# Altium PCB Tag201_GangProgrammerRev1.PcbDoc (part 4 of 7)
Units mil, origin at the board's own origin, x right, y up, seen from the top; angles counter-clockwise.
Board outline 10400 x 10885 mil, 4 copper layers (Top Layer, VCC, GND, Bottom Layer), stack 67.2 mil thick; 874 components, 385 nets, 2980 pads, 650 vias.
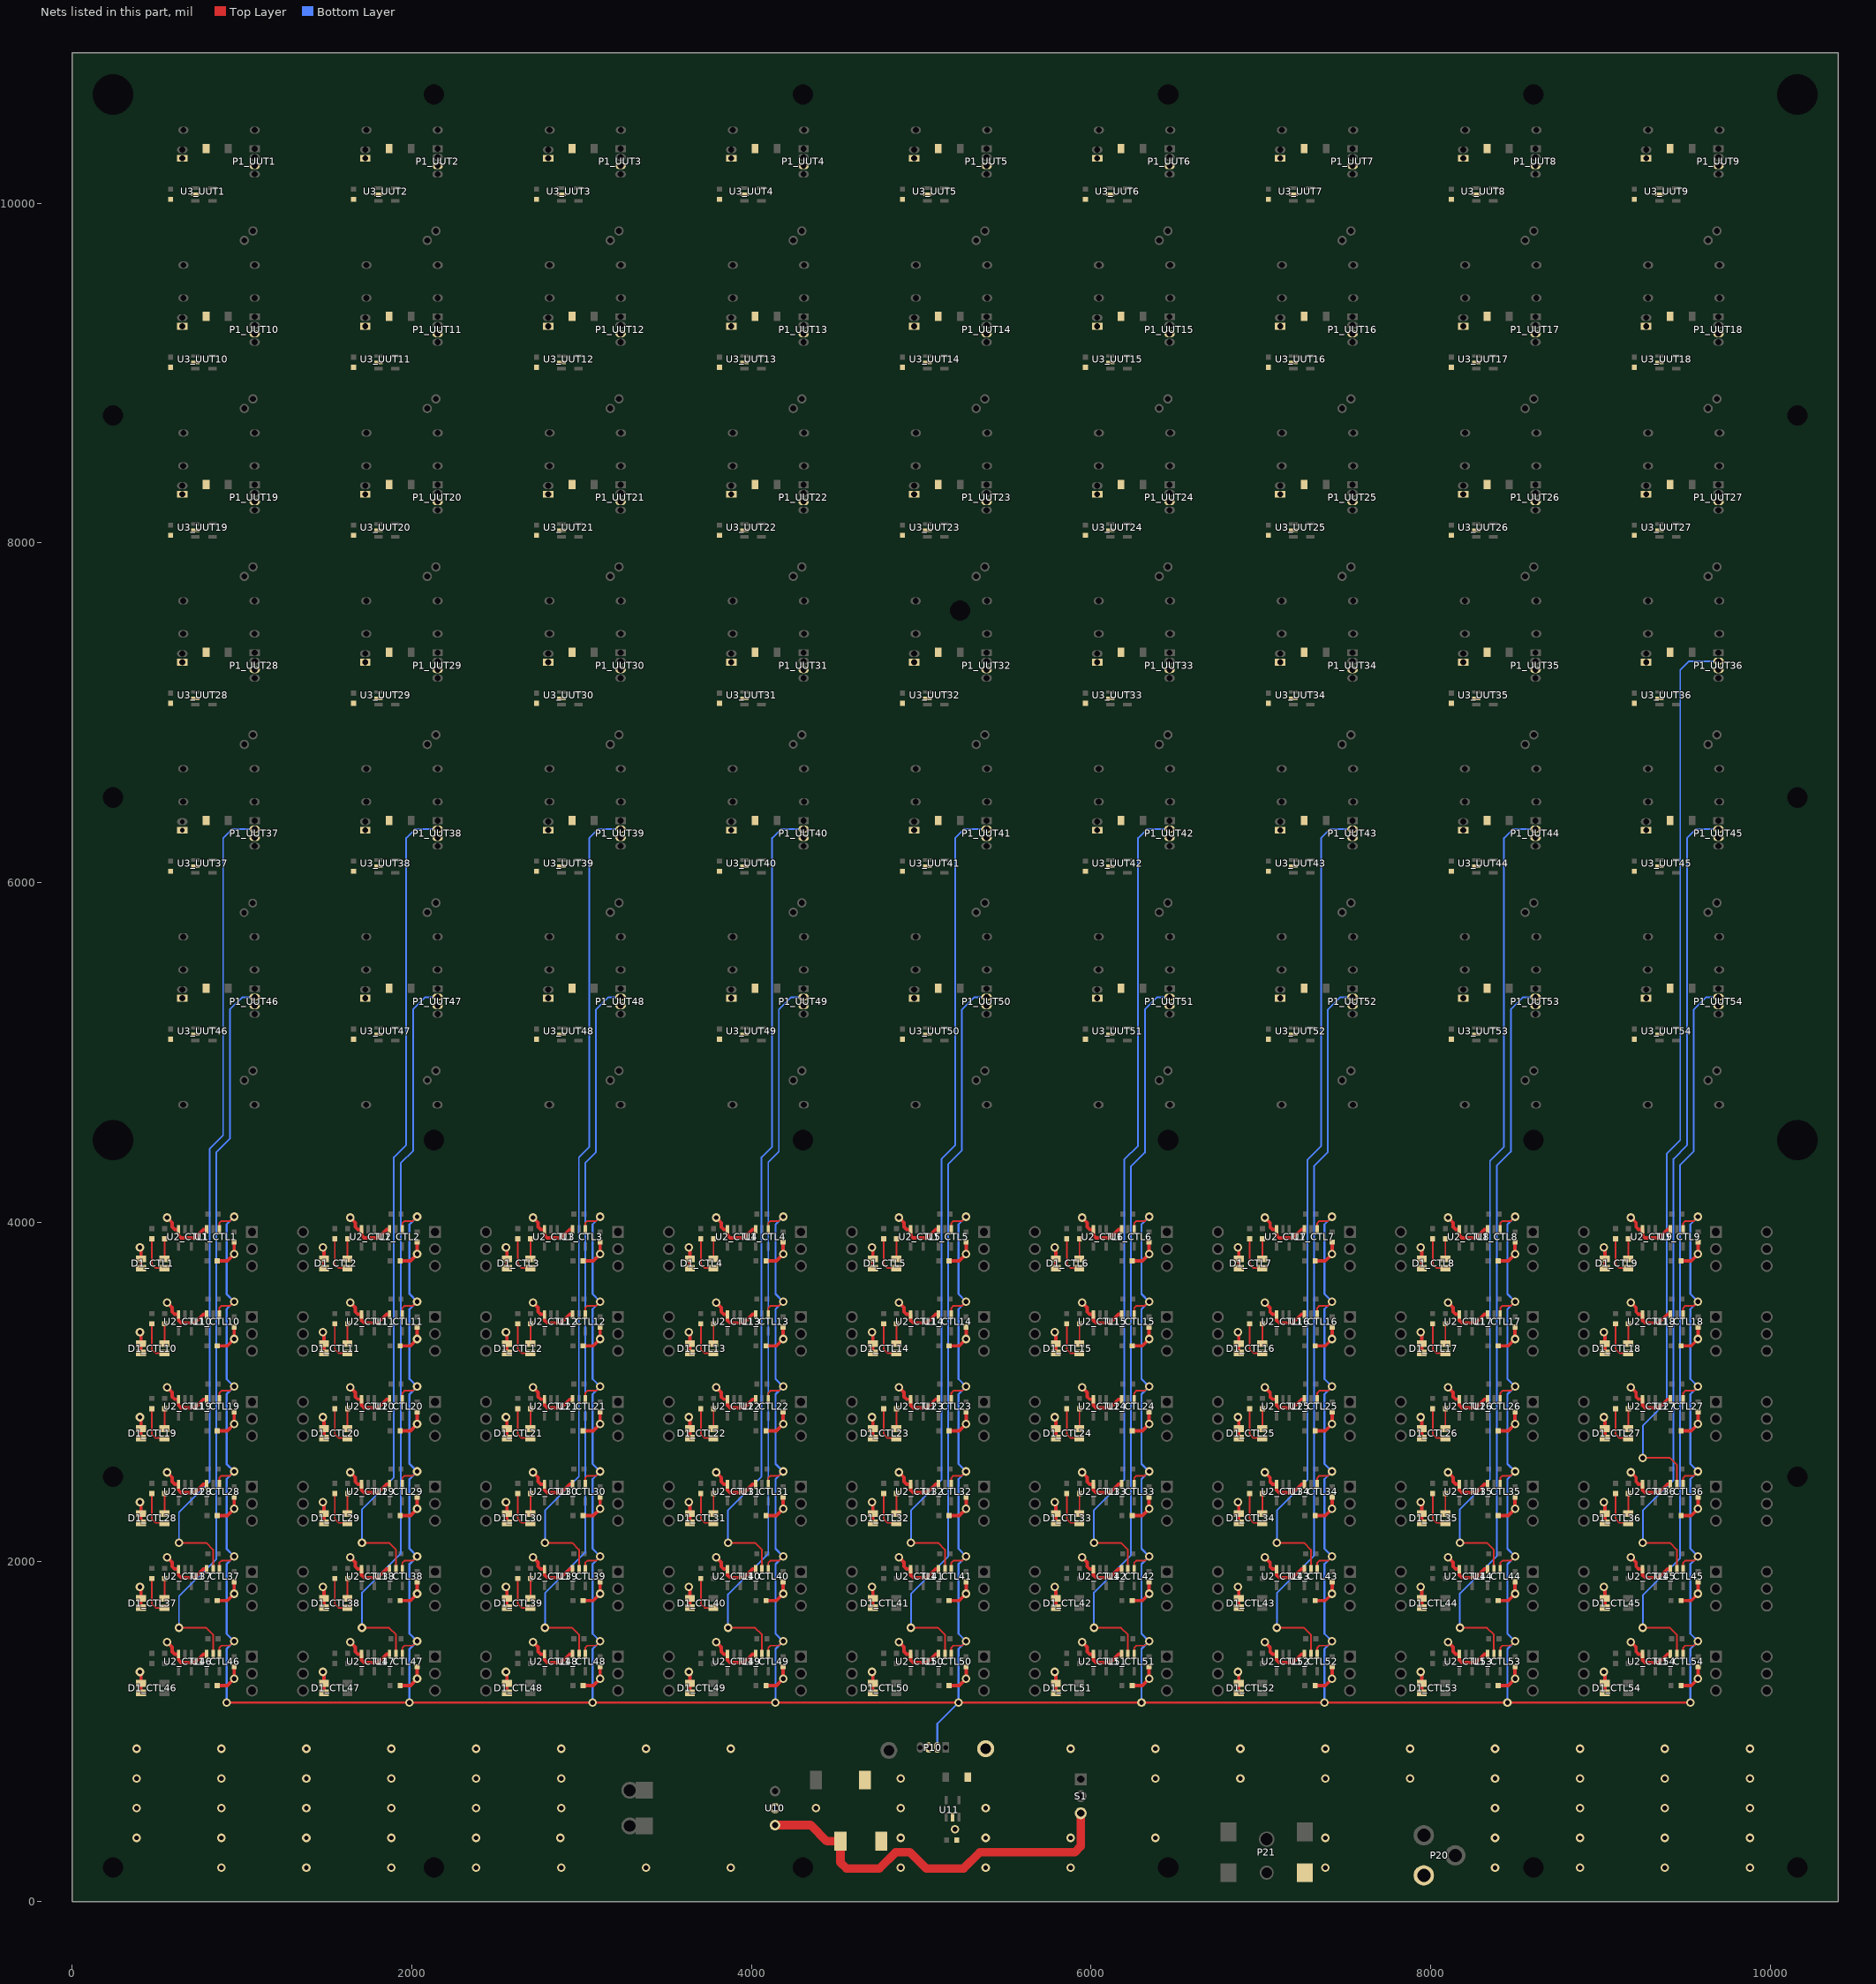
[diagram p6: the nets of this part, all layers, seen from the top]

## Via types
v1: diameter 50, hole 28, Top Layer to Bottom Layer, tented both sides, 650 vias

## Nets (pads, with @x,y where several pads share a name; then routed paths per layer and width w, separated by ;. In a path a pad name is that pad's centre, name@x,y a point inside that pad or via, vN(x,y) a via of type N, cw(c..) or ccw(c..) an arc to the next point about the centre after c; other vN are vias at no path point) (continued)
DEBUG36: P1_UUT36.2 U1_CTL36.2 | length 5309.5
  Top Layer w10: v1(9249,2612) 9409,2612 9449.5,2571.5 U1_CTL36.2@9449.5,2457
  Bottom Layer w10: v1(9249,2612) 9249,2802 9389,2942 9389,4402 9469,4482 9469,7252 9520,7303 P1_UUT36.2@9694.5,7303
DEBUG37: P1_UUT37.2 U1_CTL37.2 | length 4796.5
  Top Layer w10: v1(629,2112) 789,2112 829.5,2071.5 U1_CTL37.2@829.5,1957
  Bottom Layer w10: v1(629,2112) 629,2292 809,2472 809,4432 889,4512 889,6262 941,6314 P1_UUT37.2@1074.5,6314
DEBUG38: P1_UUT38.2 U1_CTL38.2 | length 4796.5
  Top Layer w10: v1(1706.5,2112) 1866.5,2112 1907,2071.5 U1_CTL38.2@1907,1957
  Bottom Layer w10: v1(1706.5,2112) 1706.5,2309.5 1894,2497 1894,4382 1966.5,4454.5 1966.5,6262 2018.5,6314 P1_UUT38.2@2152,6314
DEBUG39: P1_UUT39.2 U1_CTL39.2 | length 4796.5
  Top Layer w10: v1(2784,2112) 2944,2112 2984.5,2071.5 U1_CTL39.2@2984.5,1957
  Bottom Layer w10: v1(2784,2112) 2784,2302 2984,2502 2984,4382 3044,4442 3044,6262 3096,6314 P1_UUT39.2@3229.5,6314
DEBUG40: P1_UUT40.2 U1_CTL40.2 | length 4796.5
  Top Layer w10: v1(3861.5,2112) 4021.5,2112 4062,2071.5 U1_CTL40.2@4062,1957
  Bottom Layer w10: v1(3861.5,2112) 3861.5,2304.5 4059,2502 4059,4382 4121.5,4444.5 4121.5,6262 4173.5,6314 P1_UUT40.2@4307,6314
DEBUG41: P1_UUT41.2 U1_CTL41.2 | length 4796.5
  Top Layer w10: v1(4939,2112) 5099,2112 5139.5,2071.5 U1_CTL41.2@5139.5,1957
  Bottom Layer w10: v1(4939,2112) 4939,2302 5119,2482 5119,4372 5199,4452 5199,6262 5251,6314 P1_UUT41.2@5384.5,6314
DEBUG42: P1_UUT42.2 U1_CTL42.2 | length 4796.5
  Top Layer w10: v1(6016.5,2112) 6176.5,2112 6217,2071.5 U1_CTL42.2@6217,1957
  Bottom Layer w10: v1(6016.5,2112) 6016.5,2304.5 6195,2483 6195,4368 6276.5,4449.5 6276.5,6262 6328.5,6314 P1_UUT42.2@6462,6314
DEBUG43: P1_UUT43.2 U1_CTL43.2 | length 4796.5
  Top Layer w10: v1(7094,2112) 7254,2112 7294.5,2071.5 U1_CTL43.2@7294.5,1957
  Bottom Layer w10: v1(7094,2112) 7094,2302 7274,2482 7274,4367 7354,4447 7354,6262 7406,6314 P1_UUT43.2@7539.5,6314
DEBUG44: P1_UUT44.2 U1_CTL44.2 | length 4796.5
  Top Layer w10: v1(8171.5,2112) 8331.5,2112 8372,2071.5 U1_CTL44.2@8372,1957
  Bottom Layer w10: v1(8171.5,2112) 8171.5,2309.5 8349,2487 8349,4362 8431.5,4444.5 8431.5,6262 8483.5,6314 P1_UUT44.2@8617,6314
DEBUG45: P1_UUT45.2 U1_CTL45.2 | length 4796.5
  Top Layer w10: v1(9249,2112) 9409,2112 9449.5,2071.5 U1_CTL45.2@9449.5,1957
  Bottom Layer w10: v1(9249,2112) 9249,2302 9429,2482 9429,4372 9509,4452 9509,6262 9561,6314 P1_UUT45.2@9694.5,6314
DEBUG46: P1_UUT46.2 U1_CTL46.2 | length 4271.8
  Top Layer w10: v1(629,1612) 789,1612 829.5,1571.5 U1_CTL46.2@829.5,1457
  Bottom Layer w10: v1(629,1612) 629,1797 849,2017 849,4412 929,4492 929,5252 1002,5325 P1_UUT46.2@1074.5,5325
DEBUG47: P1_UUT47.2 U1_CTL47.2 | length 4274.6
  Top Layer w10: v1(1706.5,1612) 1866.5,1612 1907,1571.5 U1_CTL47.2@1907,1457
  Bottom Layer w10: v1(1706.5,1612) 1706.5,1819.5 1934,2047 1934,4347 2008.5,4421.5 2008.5,5254 ; 2006.5,5252 2008.5,5254 ; P1_UUT47.2@2152,5325 2079.5,5325 2008.5,5254
DEBUG48: P1_UUT48.2 U1_CTL48.2 | length 4271.8
  Top Layer w10: v1(2784,1612) 2944,1612 2984.5,1571.5 U1_CTL48.2@2984.5,1457
  Bottom Layer w10: v1(2784,1612) 2784,1817 3021,2054 3021,4349 3084,4412 3084,5252 3157,5325 P1_UUT48.2@3229.5,5325
DEBUG49: P1_UUT49.2 U1_CTL49.2 | length 4271.8
  Top Layer w10: v1(3861.5,1612) 4021.5,1612 4062,1571.5 U1_CTL49.2@4062,1457
  Bottom Layer w10: v1(3861.5,1612) 3861.5,1809.5 4099,2047 4099,4352 4161.5,4414.5 4161.5,5252 4234.5,5325 P1_UUT49.2@4307,5325
DEBUG50: P1_UUT50.2 U1_CTL50.2 | length 4271.8
  Top Layer w10: v1(4939,1612) 5099,1612 5139.5,1571.5 U1_CTL50.2@5139.5,1457
  Bottom Layer w10: v1(4939,1612) 4939,1812 5159,2032 5159,4342 5239,4422 5239,5252 5312,5325 P1_UUT50.2@5384.5,5325
DEBUG51: P1_UUT51.2 U1_CTL51.2 | length 4271.8
  Top Layer w10: v1(6016.5,1612) 6176.5,1612 6217,1571.5 U1_CTL51.2@6217,1457
  Bottom Layer w10: v1(6016.5,1612) 6016.5,1819.5 6234,2037 6234,4327 6316.5,4409.5 6316.5,5252 6389.5,5325 P1_UUT51.2@6462,5325
DEBUG52: P1_UUT52.2 U1_CTL52.2 | length 4271.8
  Top Layer w10: v1(7094,1612) 7254,1612 7294.5,1571.5 U1_CTL52.2@7294.5,1457
  Bottom Layer w10: v1(7094,1612) 7094,1817 7314,2037 7314,4332 7394,4412 7394,5252 7467,5325 P1_UUT52.2@7539.5,5325
DEBUG53: P1_UUT53.2 U1_CTL53.2 | length 4271.8
  Top Layer w10: v1(8171.5,1612) 8331.5,1612 8372,1571.5 U1_CTL53.2@8372,1457
  Bottom Layer w10: v1(8171.5,1612) 8171.5,1814.5 8389,2032 8389,4332 8471.5,4414.5 8471.5,5252 8544.5,5325 P1_UUT53.2@8617,5325
DEBUG54: P1_UUT54.2 U1_CTL54.2 | length 4271.8
  Top Layer w10: v1(9249,1612) 9409,1612 9449.5,1571.5 U1_CTL54.2@9449.5,1457
  Bottom Layer w10: v1(9249,1612) 9249,1802 9467,2020 9467,4335 9549,4417 9549,5252 9622,5325 P1_UUT54.2@9694.5,5325
DEBUG_DRV: P10.2 U1_CTL1.1@866.5,3957 U1_CTL2.1@1944,3957 U1_CTL3.1@3021.5,3957 U1_CTL4.1@4099,3957 U1_CTL5.1@5176.5,3957 U1_CTL6.1@6254,3957 U1_CTL7.1@7331.5,3957 U1_CTL8.1@8409,3957 U1_CTL9.1@9486.5,3957 U1_CTL10.1@866.5,3457 U1_CTL11.1@1944,3457 U1_CTL12.1@3021.5,3457 U1_CTL13.1@4099,3457 U1_CTL14.1@5176.5,3457 U1_CTL15.1@6254,3457 U1_CTL16.1@7331.5,3457 U1_CTL17.1@8409,3457 U1_CTL18.1@9486.5,3457 U1_CTL19.1@866.5,2957 U1_CTL20.1@1944,2957 U1_CTL21.1@3021.5,2957 U1_CTL22.1@4099,2957 U1_CTL23.1@5176.5,2957 U1_CTL24.1@6254,2957 U1_CTL25.1@7331.5,2957 U1_CTL26.1@8409,2957 U1_CTL27.1@9486.5,2957 U1_CTL28.1@866.5,2457 U1_CTL29.1@1944,2457 U1_CTL30.1@3021.5,2457 U1_CTL31.1@4099,2457 U1_CTL32.1@5176.5,2457 U1_CTL33.1@6254,2457 U1_CTL34.1@7331.5,2457 U1_CTL35.1@8409,2457 U1_CTL36.1@9486.5,2457 U1_CTL37.1@866.5,1957 U1_CTL38.1@1944,1957 U1_CTL39.1@3021.5,1957 U1_CTL40.1@4099,1957 U1_CTL41.1@5176.5,1957 U1_CTL42.1@6254,1957 U1_CTL43.1@7331.5,1957 U1_CTL44.1@8409,1957 U1_CTL45.1@9486.5,1957 U1_CTL46.1@866.5,1457 U1_CTL47.1@1944,1457 U1_CTL48.1@3021.5,1457 U1_CTL49.1@4099,1457 U1_CTL50.1@5176.5,1457 U1_CTL51.1@6254,1457 U1_CTL52.1@7331.5,1457 U1_CTL53.1@8409,1457 U1_CTL54.1@9486.5,1457 | length 44110.9
  Top Layer w10: U1_CTL46.1@866.5,1457 866.5,1494.5 879,1507 929,1507 v1(954,1532) ; U1_CTL37.1@866.5,1957 866.5,1994.5 879,2007 929,2007 v1(954,2032) ; U1_CTL28.1@866.5,2457 866.5,2494.5 879,2507 929,2507 v1(954,2532) ; U1_CTL19.1@866.5,2957 866.5,2994.5 879,3007 929,3007 v1(954,3032) ; U1_CTL10.1@866.5,3457 866.5,3494.5 879,3507 929,3507 v1(954,3532) ; U1_CTL1.1@866.5,3957 866.5,3994.5 879,4007 929,4007 v1(954,4032) ; U1_CTL47.1@1944,1457 1944,1494.5 1956.5,1507 2006.5,1507 v1(2031.5,1532) ; U1_CTL38.1@1944,1957 1944,1994.5 1956.5,2007 2006.5,2007 v1(2031.5,2032) ; U1_CTL29.1@1944,2457 1944,2494.5 1956.5,2507 2006.5,2507 v1(2031.5,2532) ; U1_CTL20.1@1944,2957 1944,2994.5 1956.5,3007 2006.5,3007 v1(2031.5,3032) ; U1_CTL11.1@1944,3457 1944,3494.5 1956.5,3507 2006.5,3507 v1(2031.5,3532) ; U1_CTL2.1@1944,3957 1944,3994.5 1956.5,4007 2006.5,4007 v1(2031.5,4032) ; U1_CTL48.1@3021.5,1457 3021.5,1494.5 3034,1507 3084,1507 v1(3109,1532) ; U1_CTL39.1@3021.5,1957 3021.5,1994.5 3034,2007 3084,2007 v1(3109,2032) ; U1_CTL30.1@3021.5,2457 3021.5,2494.5 3034,2507 3084,2507 v1(3109,2532) ; U1_CTL21.1@3021.5,2957 3021.5,2994.5 3034,3007 3084,3007 v1(3109,3032) ; U1_CTL12.1@3021.5,3457 3021.5,3494.5 3034,3507 3084,3507 v1(3109,3532) ; U1_CTL3.1@3021.5,3957 3021.5,3994.5 3034,4007 3084,4007 v1(3109,4032) ; U1_CTL49.1@4099,1457 4099,1494.5 4111.5,1507 4161.5,1507 v1(4186.5,1532) ; U1_CTL40.1@4099,1957 4099,1994.5 4111.5,2007 4161.5,2007 v1(4186.5,2032) ; U1_CTL31.1@4099,2457 4099,2494.5 4111.5,2507 4161.5,2507 v1(4186.5,2532) ; U1_CTL22.1@4099,2957 4099,2994.5 4111.5,3007 4161.5,3007 v1(4186.5,3032) ; U1_CTL13.1@4099,3457 4099,3494.5 4111.5,3507 4161.5,3507 v1(4186.5,3532) ; U1_CTL4.1@4099,3957 4099,3994.5 4111.5,4007 4161.5,4007 v1(4186.5,4032) ; U1_CTL50.1@5176.5,1457 5176.5,1494.5 5189,1507 5239,1507 v1(5264,1532) ; U1_CTL41.1@5176.5,1957 5176.5,1994.5 5189,2007 5239,2007 v1(5264,2032) ; U1_CTL32.1@5176.5,2457 5176.5,2494.5 5189,2507 5239,2507 v1(5264,2532) ; U1_CTL23.1@5176.5,2957 5176.5,2994.5 5189,3007 5239,3007 v1(5264,3032) ; U1_CTL14.1@5176.5,3457 5176.5,3494.5 5189,3507 5239,3507 v1(5264,3532) ; U1_CTL5.1@5176.5,3957 5176.5,3994.5 5189,4007 5239,4007 v1(5264,4032) ; U1_CTL51.1@6254,1457 6254,1494.5 6266.5,1507 6316.5,1507 v1(6341.5,1532) ; U1_CTL42.1@6254,1957 6254,1994.5 6266.5,2007 6316.5,2007 v1(6341.5,2032) ; U1_CTL33.1@6254,2457 6254,2494.5 6266.5,2507 6316.5,2507 v1(6341.5,2532) ; U1_CTL24.1@6254,2957 6254,2994.5 6266.5,3007 6316.5,3007 v1(6341.5,3032) ; U1_CTL15.1@6254,3457 6254,3494.5 6266.5,3507 6316.5,3507 v1(6341.5,3532) ; U1_CTL6.1@6254,3957 6254,3994.5 6266.5,4007 6316.5,4007 v1(6341.5,4032) ; U1_CTL52.1@7331.5,1457 7331.5,1494.5 7344,1507 7394,1507 v1(7419,1532) ; U1_CTL43.1@7331.5,1957 7331.5,1994.5 7344,2007 7394,2007 v1(7419,2032) ; U1_CTL34.1@7331.5,2457 7331.5,2494.5 7344,2507 7394,2507 v1(7419,2532) ; U1_CTL25.1@7331.5,2957 7331.5,2994.5 7344,3007 7394,3007 v1(7419,3032) ; U1_CTL16.1@7331.5,3457 7331.5,3494.5 7344,3507 7394,3507 v1(7419,3532) ; U1_CTL7.1@7331.5,3957 7331.5,3994.5 7344,4007 7394,4007 v1(7419,4032) ; U1_CTL53.1@8409,1457 8409,1494.5 8421.5,1507 8471.5,1507 v1(8496.5,1532) ; U1_CTL44.1@8409,1957 8409,1994.5 8421.5,2007 8471.5,2007 v1(8496.5,2032) ; U1_CTL35.1@8409,2457 8409,2494.5 8421.5,2507 8471.5,2507 v1(8496.5,2532) ; U1_CTL26.1@8409,2957 8409,2994.5 8421.5,3007 8471.5,3007 v1(8496.5,3032) ; U1_CTL17.1@8409,3457 8409,3494.5 8421.5,3507 8471.5,3507 v1(8496.5,3532) ; U1_CTL8.1@8409,3957 8409,3994.5 8421.5,4007 8471.5,4007 v1(8496.5,4032) ; U1_CTL54.1@9486.5,1457 9486.5,1494.5 9499,1507 9549,1507 v1(9574,1532) ; U1_CTL45.1@9486.5,1957 9486.5,1994.5 9499,2007 9549,2007 v1(9574,2032) ; U1_CTL36.1@9486.5,2457 9486.5,2494.5 9499,2507 9549,2507 v1(9574,2532) ; U1_CTL27.1@9486.5,2957 9486.5,2994.5 9499,3007 9549,3007 v1(9574,3032) ; U1_CTL18.1@9486.5,3457 9486.5,3494.5 9499,3507 9549,3507 v1(9574,3532) ; U1_CTL9.1@9486.5,3957 9486.5,3994.5 9499,4007 9549,4007 v1(9574,4032)
  Top Layer w12: v1(909,1172) v1(1986.5,1172) v1(3064,1172) v1(4141.5,1172) v1(5219,1172) v1(6296.5,1172) v1(7374,1172) v1(8451.5,1172) v1(9529,1172)
  Bottom Layer w12: v1(909,1172) 909,1487 v1(954,1532) 909,1577 909,1987 v1(954,2032) 909,2077 909,2487 v1(954,2532) 909,2577 909,2987 v1(954,3032) 909,3077 909,3487 v1(954,3532) 909,3577 909,3987 v1(954,4032) ; v1(1986.5,1172) 1986.5,1487 v1(2031.5,1532) 1986.5,1577 1986.5,1987 v1(2031.5,2032) 1986.5,2077 1986.5,2487 v1(2031.5,2532) 1986.5,2577 1986.5,2987 v1(2031.5,3032) 1986.5,3077 1986.5,3487 v1(2031.5,3532) 1986.5,3577 1986.5,3987 v1(2031.5,4032) ; v1(3064,1172) 3064,1487 v1(3109,1532) 3064,1577 3064,1987 v1(3109,2032) 3064,2077 3064,2487 v1(3109,2532) 3064,2577 3064,2987 v1(3109,3032) 3064,3077 3064,3487 v1(3109,3532) 3064,3577 3064,3987 v1(3109,4032) ; v1(4141.5,1172) 4141.5,1487 v1(4186.5,1532) 4141.5,1577 4141.5,1987 v1(4186.5,2032) 4141.5,2077 4141.5,2487 v1(4186.5,2532) 4141.5,2577 4141.5,2987 v1(4186.5,3032) 4141.5,3077 4141.5,3487 v1(4186.5,3532) 4141.5,3577 4141.5,3987 v1(4186.5,4032) ; P10.2@5094,907 5094,1047 v1(5219,1172) 5219,1487 v1(5264,1532) 5219,1577 5219,1987 v1(5264,2032) 5219,2077 5219,2487 v1(5264,2532) 5219,2577 5219,2987 v1(5264,3032) 5219,3077 5219,3487 v1(5264,3532) 5219,3577 5219,3987 v1(5264,4032) ; v1(6296.5,1172) 6296.5,1487 v1(6341.5,1532) 6296.5,1577 6296.5,1987 v1(6341.5,2032) 6296.5,2077 6296.5,2487 v1(6341.5,2532) 6296.5,2577 6296.5,2987 v1(6341.5,3032) 6296.5,3077 6296.5,3487 v1(6341.5,3532) 6296.5,3577 6296.5,3987 v1(6341.5,4032) ; v1(7374,1172) 7374,1487 v1(7419,1532) 7374,1577 7374,1987 v1(7419,2032) 7374,2077 7374,2487 v1(7419,2532) 7374,2577 7374,2987 v1(7419,3032) 7374,3077 7374,3487 v1(7419,3532) 7374,3577 7374,3987 v1(7419,4032) ; v1(8451.5,1172) 8451.5,1487 v1(8496.5,1532) 8451.5,1577 8451.5,1987 v1(8496.5,2032) 8451.5,2077 8451.5,2487 v1(8496.5,2532) 8451.5,2577 8451.5,2987 v1(8496.5,3032) 8451.5,3077 8451.5,3487 v1(8496.5,3532) 8451.5,3577 8451.5,3987 v1(8496.5,4032) ; v1(9529,1172) 9529,1487 v1(9574,1532) 9529,1577 9529,1987 v1(9574,2032) 9529,2077 9529,2487 v1(9574,2532) 9529,2577 9529,2987 v1(9574,3032) 9529,3077 9529,3487 v1(9574,3532) 9529,3577 9529,3987 v1(9574,4032)
GND: C1_UUT1.2 C1_UUT2.2 C1_UUT3.2 C1_UUT4.2 C1_UUT5.2 C1_UUT6.2 C1_UUT7.2 C1_UUT8.2 C1_UUT9.2 C1_UUT10.2 C1_UUT11.2 C1_UUT12.2 C1_UUT13.2 C1_UUT14.2 C1_UUT15.2 C1_UUT16.2 C1_UUT17.2 C1_UUT18.2 C1_UUT19.2 C1_UUT20.2 C1_UUT21.2 C1_UUT22.2 C1_UUT23.2 C1_UUT24.2 C1_UUT25.2 C1_UUT26.2 C1_UUT27.2 C1_UUT28.2 C1_UUT29.2 C1_UUT30.2 C1_UUT31.2 C1_UUT32.2 C1_UUT33.2 C1_UUT34.2 C1_UUT35.2 C1_UUT36.2 C1_UUT37.2 C1_UUT38.2 C1_UUT39.2 C1_UUT40.2 C1_UUT41.2 C1_UUT42.2 C1_UUT43.2 C1_UUT44.2 C1_UUT45.2 C1_UUT46.2 C1_UUT47.2 C1_UUT48.2 C1_UUT49.2 C1_UUT50.2 C1_UUT51.2 C1_UUT52.2 C1_UUT53.2 C1_UUT54.2 C2_UUT1.2 C2_UUT2.2 C2_UUT3.2 C2_UUT4.2 C2_UUT5.2 C2_UUT6.2 C2_UUT7.2 C2_UUT8.2 C2_UUT9.2 C2_UUT10.2 C2_UUT11.2 C2_UUT12.2 C2_UUT13.2 C2_UUT14.2 C2_UUT15.2 C2_UUT16.2 C2_UUT17.2 C2_UUT18.2 C2_UUT19.2 C2_UUT20.2 C2_UUT21.2 C2_UUT22.2 C2_UUT23.2 C2_UUT24.2 C2_UUT25.2 C2_UUT26.2 C2_UUT27.2 C2_UUT28.2 C2_UUT29.2 C2_UUT30.2 C2_UUT31.2 C2_UUT32.2 C2_UUT33.2 C2_UUT34.2 C2_UUT35.2 C2_UUT36.2 C2_UUT37.2 C2_UUT38.2 C2_UUT39.2 C2_UUT40.2 C2_UUT41.2 C2_UUT42.2 C2_UUT43.2 C2_UUT44.2 C2_UUT45.2 C2_UUT46.2 C2_UUT47.2 C2_UUT48.2 C2_UUT49.2 C2_UUT50.2 C2_UUT51.2 C2_UUT52.2 C2_UUT53.2 C2_UUT54.2 C3_CTL1.2 C3_CTL2.2 C3_CTL3.2 C3_CTL4.2 C3_CTL5.2 C3_CTL6.2 C3_CTL7.2 C3_CTL8.2 C3_CTL9.2 C3_CTL10.2 C3_CTL11.2 C3_CTL12.2 C3_CTL13.2 C3_CTL14.2 C3_CTL15.2 C3_CTL16.2 C3_CTL17.2 C3_CTL18.2 C3_CTL19.2 C3_CTL20.2 C3_CTL21.2 C3_CTL22.2 C3_CTL23.2 C3_CTL24.2 C3_CTL25.2 C3_CTL26.2 C3_CTL27.2 C3_CTL28.2 C3_CTL29.2 C3_CTL30.2 C3_CTL31.2 C3_CTL32.2 C3_CTL33.2 C3_CTL34.2 C3_CTL35.2 C3_CTL36.2 C3_CTL37.2 C3_CTL38.2 C3_CTL39.2 C3_CTL40.2 C3_CTL41.2 C3_CTL42.2 C3_CTL43.2 C3_CTL44.2 C3_CTL45.2 C3_CTL46.2 C3_CTL47.2 C3_CTL48.2 C3_CTL49.2 C3_CTL50.2 C3_CTL51.2 C3_CTL52.2 C3_CTL53.2 C3_CTL54.2 C10.2 C11.2 C12.2 C13.2 D1_CTL1.3 D1_CTL1.4 D1_CTL2.3 D1_CTL2.4 D1_CTL3.3 D1_CTL3.4 D1_CTL4.3 D1_CTL4.4 D1_CTL5.3 D1_CTL5.4 D1_CTL6.3 D1_CTL6.4 D1_CTL7.3 D1_CTL7.4 D1_CTL8.3 D1_CTL8.4 D1_CTL9.3 D1_CTL9.4 D1_CTL10.3 D1_CTL10.4 D1_CTL11.3 D1_CTL11.4 D1_CTL12.3 D1_CTL12.4 D1_CTL13.3 D1_CTL13.4 D1_CTL14.3 D1_CTL14.4 D1_CTL15.3 D1_CTL15.4 D1_CTL16.3 D1_CTL16.4 D1_CTL17.3 D1_CTL17.4 D1_CTL18.3 D1_CTL18.4 D1_CTL19.3 D1_CTL19.4 D1_CTL20.3 D1_CTL20.4 D1_CTL21.3 D1_CTL21.4 D1_CTL22.3 D1_CTL22.4 D1_CTL23.3 D1_CTL23.4 D1_CTL24.3 D1_CTL24.4 D1_CTL25.3 D1_CTL25.4 D1_CTL26.3 D1_CTL26.4 D1_CTL27.3 D1_CTL27.4 D1_CTL28.3 D1_CTL28.4 D1_CTL29.3 D1_CTL29.4 D1_CTL30.3 D1_CTL30.4 D1_CTL31.3 D1_CTL31.4 D1_CTL32.3 D1_CTL32.4 D1_CTL33.3 D1_CTL33.4 D1_CTL34.3 D1_CTL34.4 D1_CTL35.3 D1_CTL35.4 D1_CTL36.3 D1_CTL36.4 D1_CTL37.3 D1_CTL37.4 D1_CTL38.3 D1_CTL38.4 D1_CTL39.3 D1_CTL39.4 D1_CTL40.3 D1_CTL40.4 D1_CTL41.3 D1_CTL41.4 D1_CTL42.3 D1_CTL42.4 D1_CTL43.3 D1_CTL43.4 D1_CTL44.3 D1_CTL44.4 D1_CTL45.3 D1_CTL45.4 D1_CTL46.3 D1_CTL46.4 D1_CTL47.3 D1_CTL47.4 D1_CTL48.3 D1_CTL48.4 D1_CTL49.3 D1_CTL49.4 D1_CTL50.3 D1_CTL50.4 D1_CTL51.3 D1_CTL51.4 D1_CTL52.3 D1_CTL52.4 D1_CTL53.3 D1_CTL53.4 D1_CTL54.3 D1_CTL54.4 P1_UUT1.3 P1_UUT2.3 P1_UUT3.3 P1_UUT4.3 P1_UUT5.3 P1_UUT6.3 P1_UUT7.3 P1_UUT8.3 P1_UUT9.3 P1_UUT10.3 P1_UUT11.3 P1_UUT12.3 P1_UUT13.3 P1_UUT14.3 P1_UUT15.3 P1_UUT16.3 P1_UUT17.3 P1_UUT18.3 P1_UUT19.3 P1_UUT20.3 P1_UUT21.3 P1_UUT22.3 P1_UUT23.3 P1_UUT24.3 P1_UUT25.3 P1_UUT26.3 P1_UUT27.3 P1_UUT28.3 P1_UUT29.3 P1_UUT30.3 P1_UUT31.3 P1_UUT32.3 P1_UUT33.3 P1_UUT34.3 P1_UUT35.3 P1_UUT36.3 P1_UUT37.3 P1_UUT38.3 P1_UUT39.3 P1_UUT40.3 P1_UUT41.3 P1_UUT42.3 P1_UUT43.3 P1_UUT44.3 P1_UUT45.3 P1_UUT46.3 P1_UUT47.3 P1_UUT48.3 P1_UUT49.3 P1_UUT50.3 P1_UUT51.3 P1_UUT52.3 P1_UUT53.3 P1_UUT54.3 P2_UUT1.1 P2_UUT2.1 P2_UUT3.1 P2_UUT4.1 P2_UUT5.1 P2_UUT6.1 P2_UUT7.1 P2_UUT8.1 P2_UUT9.1 P2_UUT10.1 P2_UUT11.1 P2_UUT12.1 P2_UUT13.1 P2_UUT14.1 P2_UUT15.1 P2_UUT16.1 P2_UUT17.1 P2_UUT18.1 P2_UUT19.1 P2_UUT20.1 P2_UUT21.1 P2_UUT22.1 P2_UUT23.1 P2_UUT24.1 P2_UUT25.1 P2_UUT26.1 P2_UUT27.1 P2_UUT28.1 P2_UUT29.1 P2_UUT30.1 P2_UUT31.1 P2_UUT32.1 P2_UUT33.1 P2_UUT34.1 P2_UUT35.1 P2_UUT36.1 P2_UUT37.1 P2_UUT38.1 P2_UUT39.1 P2_UUT40.1 P2_UUT41.1 P2_UUT42.1 P2_UUT43.1 P2_UUT44.1 P2_UUT45.1 P2_UUT46.1 P2_UUT47.1 P2_UUT48.1 P2_UUT49.1 P2_UUT50.1 P2_UUT51.1 P2_UUT52.1 P2_UUT53.1 P2_UUT54.1 P10.3 P20.3 P21.2 pad.4 R3_CTL1.2 R3_CTL2.2 R3_CTL3.2 R3_CTL4.2 R3_CTL5.2 R3_CTL6.2 R3_CTL7.2 R3_CTL8.2 R3_CTL9.2 R3_CTL10.2 R3_CTL11.2 R3_CTL12.2 R3_CTL13.2 R3_CTL14.2 R3_CTL15.2 R3_CTL16.2 R3_CTL17.2 R3_CTL18.2 R3_CTL19.2 R3_CTL20.2 R3_CTL21.2 R3_CTL22.2 R3_CTL23.2 R3_CTL24.2 R3_CTL25.2 R3_CTL26.2 R3_CTL27.2 R3_CTL28.2 R3_CTL29.2 R3_CTL30.2 R3_CTL31.2 R3_CTL32.2 R3_CTL33.2 R3_CTL34.2 R3_CTL35.2 R3_CTL36.2 R3_CTL37.2 R3_CTL38.2 R3_CTL39.2 R3_CTL40.2 R3_CTL41.2 R3_CTL42.2 R3_CTL43.2 R3_CTL44.2 R3_CTL45.2 R3_CTL46.2 R3_CTL47.2 R3_CTL48.2 R3_CTL49.2 R3_CTL50.2 R3_CTL51.2 R3_CTL52.2 R3_CTL53.2 R3_CTL54.2 U1_CTL1.3 U1_CTL2.3 U1_CTL3.3 U1_CTL4.3 U1_CTL5.3 U1_CTL6.3 U1_CTL7.3 U1_CTL8.3 U1_CTL9.3 U1_CTL10.3 U1_CTL11.3 U1_CTL12.3 U1_CTL13.3 U1_CTL14.3 U1_CTL15.3 U1_CTL16.3 U1_CTL17.3 U1_CTL18.3 U1_CTL19.3 U1_CTL20.3 U1_CTL21.3 U1_CTL22.3 U1_CTL23.3 U1_CTL24.3 U1_CTL25.3 U1_CTL26.3 U1_CTL27.3 U1_CTL28.3 U1_CTL29.3 U1_CTL30.3 U1_CTL31.3 U1_CTL32.3 U1_CTL33.3 U1_CTL34.3 U1_CTL35.3 U1_CTL36.3 U1_CTL37.3 U1_CTL38.3 U1_CTL39.3 U1_CTL40.3 U1_CTL41.3 U1_CTL42.3 U1_CTL43.3 U1_CTL44.3 U1_CTL45.3 U1_CTL46.3 U1_CTL47.3 U1_CTL48.3 U1_CTL49.3 U1_CTL50.3 U1_CTL51.3 U1_CTL52.3 U1_CTL53.3 U1_CTL54.3 U2_CTL1.3 U2_CTL2.3 U2_CTL3.3 U2_CTL4.3 U2_CTL5.3 U2_CTL6.3 U2_CTL7.3 U2_CTL8.3 U2_CTL9.3 U2_CTL10.3 U2_CTL11.3 U2_CTL12.3 U2_CTL13.3 U2_CTL14.3 U2_CTL15.3 U2_CTL16.3 U2_CTL17.3 U2_CTL18.3 U2_CTL19.3 U2_CTL20.3 U2_CTL21.3 U2_CTL22.3 U2_CTL23.3 U2_CTL24.3 U2_CTL25.3 U2_CTL26.3 U2_CTL27.3 U2_CTL28.3 U2_CTL29.3 U2_CTL30.3 U2_CTL31.3 U2_CTL32.3 U2_CTL33.3 U2_CTL34.3 U2_CTL35.3 U2_CTL36.3 U2_CTL37.3 U2_CTL38.3 U2_CTL39.3 U2_CTL40.3 U2_CTL41.3 U2_CTL42.3 U2_CTL43.3 U2_CTL44.3 U2_CTL45.3 U2_CTL46.3 U2_CTL47.3 U2_CTL48.3 U2_CTL49.3 U2_CTL50.3 U2_CTL51.3 U2_CTL52.3 U2_CTL53.3 U2_CTL54.3 U3_UUT1.2 U3_UUT2.2 U3_UUT3.2 U3_UUT4.2 U3_UUT5.2 U3_UUT6.2 U3_UUT7.2 U3_UUT8.2 U3_UUT9.2 U3_UUT10.2 U3_UUT11.2 U3_UUT12.2 U3_UUT13.2 U3_UUT14.2 U3_UUT15.2 U3_UUT16.2 U3_UUT17.2 U3_UUT18.2 U3_UUT19.2 U3_UUT20.2 U3_UUT21.2 U3_UUT22.2 U3_UUT23.2 U3_UUT24.2 U3_UUT25.2 U3_UUT26.2 U3_UUT27.2 U3_UUT28.2 U3_UUT29.2 U3_UUT30.2 U3_UUT31.2 U3_UUT32.2 U3_UUT33.2 U3_UUT34.2 U3_UUT35.2 U3_UUT36.2 U3_UUT37.2 U3_UUT38.2 U3_UUT39.2 U3_UUT40.2 U3_UUT41.2 U3_UUT42.2 U3_UUT43.2 U3_UUT44.2 U3_UUT45.2 U3_UUT46.2 U3_UUT47.2 U3_UUT48.2 U3_UUT49.2 U3_UUT50.2 U3_UUT51.2 U3_UUT52.2 U3_UUT53.2 U3_UUT54.2 U10.2 U11.2 | length 35275.7